# KiCad board sakura50.kicad_pcb (continued)
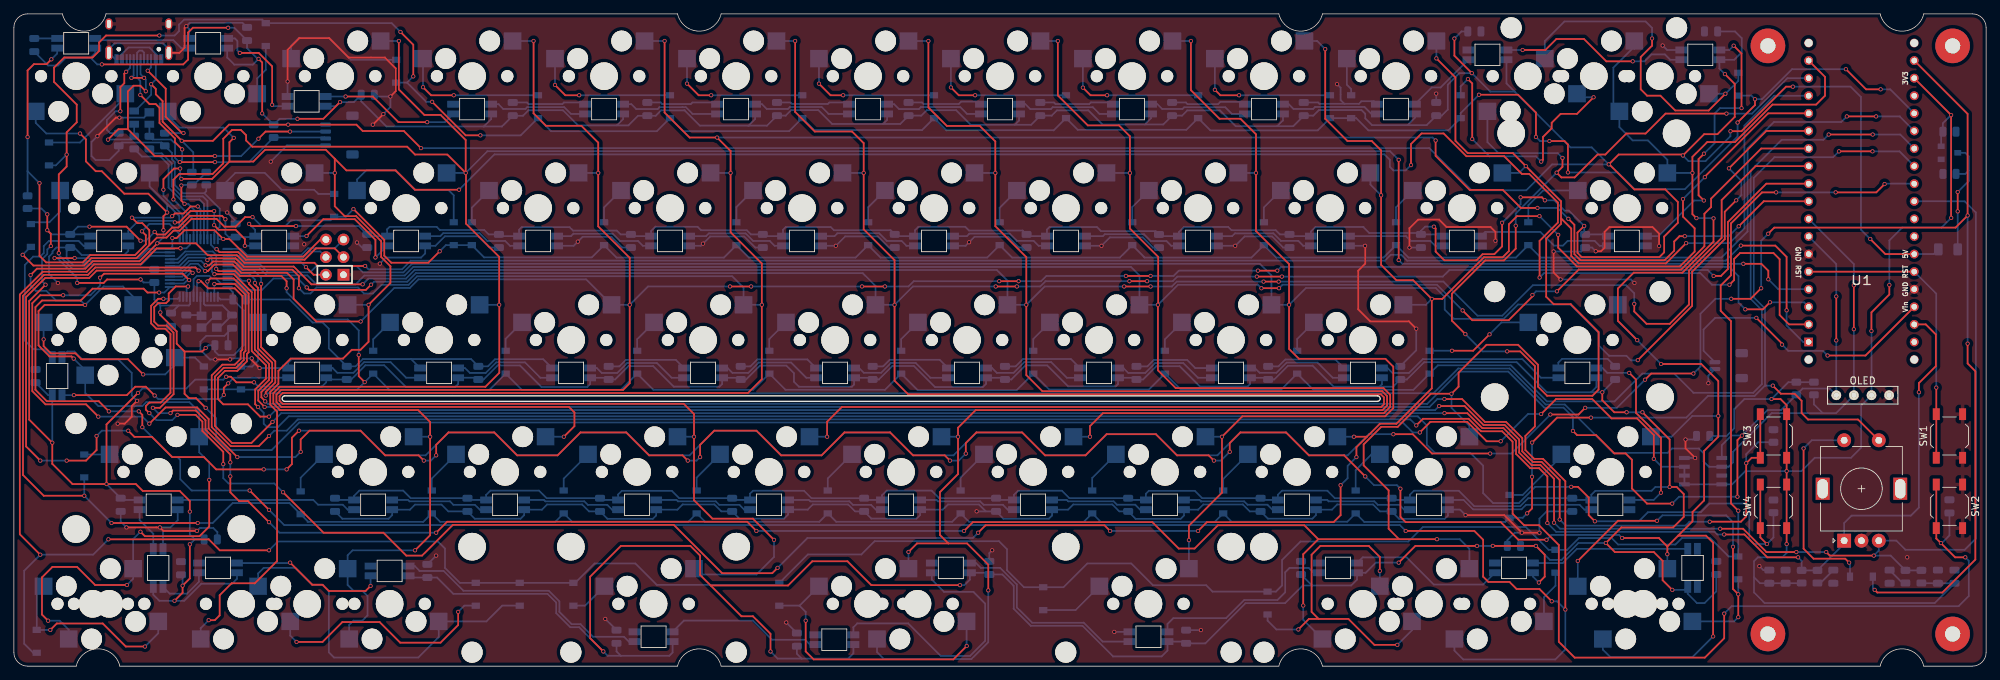
[diagram p0: board, top side]
## Routing (per net, layer and track width the routed paths; a pad name or vN(x,y) marks a point on that pad's centre or on a via; arc(x,y) is an arc through that point) (continued)
col0: length 443.4
  Top w0.25: v1(21.59,62.96) 21.59,64.97 v1(22.13,65.51) 19.41,68.23 15.94,68.23 12.69,71.47 11.82,71.47 10.4,72.9 10.4,76.08 v1(9.56,76.92) ; v1(2.41,56.48) 3.34,57.4 10.32,57.4 11.39,58.47 18.12,58.47 20.7,61.05 v1(20.7,61.06) 26.29,61.06 28,59.34 32.19,59.34 33.28,58.25 43.39,58.25 43.85,57.79 v1(50.71,57.79) ; v1(18.27,19.41) 18.92,18.77 26.8,18.77 28.2,20.17 v1(28.2,26.9) ; v1(8.64,44.42) 8.32,44.73 5.15,44.73 3.56,46.32 3.56,51.28 4.45,52.17 v1(10.28,52.17) ; v1(4.94,6.56) 4.06,7.45 4.06,12.82 5.57,14.33 9.12,14.33 11.73,11.72 v1(16.32,11.72) ; v1(255.89,51.39) 255.89,59.1 254.26,60.74 v1(249.29,60.74)
  Bottom w0.25: U1.1 258.29,46.81 255.89,49.21 v1(255.89,51.39) ; v1(18.27,19.41) 17.22,18.36 MX51.2 17.22,12.62 v1(16.32,11.72) ; v1(2.41,56.48) 2.41,54.96 3.17,54.2 4.7,54.2 6.1,52.8 9.65,52.8 v1(10.28,52.17) 12.95,54.83 15.75,54.83 17.22,53.35 MX27.2 ; v1(8.64,44.42) 10.3,42.75 MX28.2 10.3,39.45 12.19,37.56 18.54,37.56 19.11,38.12 25.34,38.12 26.75,36.72 MX39.2 26.75,30.88 28.2,29.43 v1(28.2,26.9) ; MX1.2 3.16,78.45 4.69,76.92 v1(9.56,76.92) ; v1(21.59,62.96) 21.59,61.94 v1(20.7,61.06) ; v1(50.71,57.79) 51.18,57.31 56.04,57.31 57.29,58.56 197.9,58.56 198.75,59.4 200.27,59.4 201.12,58.56 247.11,58.56 v1(249.29,60.74) ; MX15.2 19.6,69.26 23.88,64.99 23.88,63.72 24.44,63.16 U2.26 ; v1(22.13,65.51) 22.13,66.74 ; MX60.2 7.92,5.25 6.61,6.56 v1(4.94,6.56)
col1: length 408.2
  Top w0.25: 31.12,72.87 31.12,75.67 v1(31.74,76.29) ; 31.12,72.87 28.62,70.37 v1(24.19,70.37) ; 31.12,72.87 34.57,72.87 36.27,74.57 45.03,74.57 46.32,73.28 ; v1(28.12,6.64) 29.01,6.64 29.71,7.34 29.71,10.24 31.43,11.97 34.79,11.97 38,15.18 38,36.77 37.01,37.76 37.01,39.59 38.19,40.77 38.19,42.64 39.95,44.41 47.5,44.41 48.78,45.69 50.04,45.69 51.2,46.85 v1(51.2,52.18) 54.36,55.34 54.36,57.75 53.02,59.09 53.02,61.37 49.4,64.99 47.75,64.99 46.32,66.42 v1(46.32,71.23) 46.32,73.28 ; v1(201.68,72.36) 201.68,75.4 203.2,76.93 206.39,76.93 209.68,73.64 215.13,73.64 217.68,71.09 218.74,71.09 222.88,66.95 222.88,64.06 220.24,61.41 v1(220.24,56.12) ; v1(64.26,68.8) 57.91,68.8 55.12,71.59 48.01,71.59 46.32,73.28 ; U1.2 256.24,49.35 254.89,50.71 254.89,58.77 254,59.66 249.17,59.66 248.32,58.8 248.32,55.75 v1(247.65,55.08) ; v1(21.59,68.8) 21.59,70.32 23.13,71.86 v1(24,71.86)
  Bottom w0.25: MX2.2 22.21,79.45 23.88,77.77 30.26,77.77 v1(31.74,76.29) ; v1(24,71.86) 24,70.56 v1(24.19,70.37) ; v1(28.12,6.64) 26.97,5.49 MX52.2 ; v1(64.26,68.8) 69.37,73.91 197.83,73.91 198.63,73.12 198.63,72.1 199.14,71.59 200.91,71.59 v1(201.68,72.36) ; v1(247.65,55.08) 245.11,55.08 243.44,56.76 220.87,56.76 v1(220.24,56.12) ; v1(21.59,68.8) 21.59,67.91 24.33,65.18 24.33,63.91 24.94,63.29 U2.27 ; MX29.2 v1(51.2,52.18) ; MX16.2 v1(46.32,71.23)
col2: length 442.9
  Top w0.25: v1(199.9,73.12) v1(199.9,58.64) ; v1(55.57,90.28) 55.57,83.29 59.26,79.6 61.6,79.6 65.22,75.98 v1(65.22,71.23) ; v1(253.26,55.87) 253.26,57.1 252.25,58.11 v1(249.66,58.11) ; v1(57.91,16.73) 60.09,18.91 v1(60.09,33.13) 60.09,35.25 58.35,36.98 38.42,36.98 37.45,37.95 37.45,39.41 38.4,40.35 68.07,40.35 70.07,42.35 70.07,52.16 v1(70.06,52.18) 70.06,59.11 65.27,63.9 65.27,71.19 v1(65.22,71.23) ; v1(65.22,71.23) 62.57,73.88 57.91,73.88 56.78,75.02 34.42,75.02 33.53,75.91 33.53,76.67 32.77,77.44 31.5,77.44 30.23,76.17 30.23,72.61 28.7,71.09 23.88,71.09 23.03,70.24 v1(23.03,67.4)
  Bottom w0.25: MX3.2 v1(55.57,90.28) ; U1.4 254.69,54.43 v1(253.26,55.87) ; MX40.2 v1(60.09,33.13) ; v1(57.91,16.73) 48.9,16.73 48.18,16.02 MX61.2 48.18,11.73 49.02,10.89 50.29,10.89 51.05,10.13 51.05,7.33 50.29,6.57 49.02,6.57 48.4,5.95 MX53.2 ; U2.29 25.94,64.5 v1(23.03,67.4) ; v1(249.66,58.11) 200.43,58.11 v1(199.9,58.64) ; MX17.2 v1(65.22,71.23) 68.35,74.36 198.65,74.36 v1(199.9,73.12) ; MX30.2 v1(70.06,52.18)
col3: length 421.9
  Top w0.25: v1(179.58,57.12) v1(182.37,57.12) ; v1(75.02,90.28) 75.02,79.83 76.81,78.03 81.92,78.03 84.35,75.6 v1(84.35,71.23) 84.35,63.51 88.9,58.97 v1(88.9,52.18) 88.9,43.4 88.9,43.39 88.9,40.86 87.94,39.9 38.59,39.9 37.9,39.21 37.9,38.13 38.61,37.43 80.14,37.43 80.92,36.65 80.92,34.66 v1(79.39,33.13) ; v1(122.43,54.83) v1(125.73,54.83) ; v1(103.38,54.83) v1(106.43,54.83) ; v1(142.24,55.59) v1(145.03,55.59) ; v1(253.49,52.54) 252.48,51.53 v1(249.94,51.53) ; v1(27.62,57.05) 28,57.05 28.95,57.99 31.63,57.99 32.82,56.8 39.43,56.8 40.39,55.85 40.39,53.05 43.66,49.77 v1(50.06,49.77) ; v1(160.53,56.35) v1(164.08,56.35)
  Bottom w0.25: v1(27.62,57.05) 26.58,58.09 25.49,58.09 24.16,56.76 U2.17 ; v1(179.58,57.12) 168.17,57.12 167.41,56.35 v1(164.08,56.35) ; v1(50.06,49.77) 54.9,54.61 57.16,54.61 58.4,55.86 82.6,55.86 MX31.2 v1(88.9,52.18) 91.55,54.83 v1(103.38,54.83) ; v1(142.24,55.59) 129.9,55.59 129.14,54.83 v1(125.73,54.83) ; MX18.2 v1(84.35,71.23) ; v1(145.03,55.59) 148.29,55.59 149.05,56.35 v1(160.53,56.35) ; v1(249.94,51.53) 248.95,52.51 248.95,56.32 247.62,57.66 182.91,57.66 v1(182.37,57.12) ; U1.3 258.43,52.54 v1(253.49,52.54) ; MX41.2 v1(79.39,33.13) ; MX4.2 v1(75.02,90.28) ; v1(106.43,54.83) v1(122.43,54.83)
col4: length 506.1
  Top w0.25: v1(248.98,63.52) 252.59,67.13 U1.9 ; v1(27.69,57.88) 28.19,57.88 28.76,58.44 31.81,58.44 33.01,57.25 40.21,57.25 41.15,56.31 v1(41.15,54.58) ; v1(224.4,64.6) 225.26,63.74 225.26,59.5 226.13,58.63 238.3,58.63 239.67,60 239.67,61.33 240.43,62.09 v1(241.19,62.09) ; v1(109.73,18.24) 106.67,21.3 100.84,21.3 98.18,23.96 v1(98.18,33.13) 98.18,36.41 96.7,37.88 38.79,37.88 38.35,38.32 38.35,38.99 38.81,39.45 105.97,39.45 107.97,41.45 v1(107.97,52.18) 107.97,52.18 107.97,58.15 103.46,62.66 v1(103.46,71.23) 103.46,74.39 v1(101.52,76.34) 97.54,76.34 93.93,79.95 v1(93.93,90.28) ; v1(219.93,66.17) 217.54,66.17 214.94,68.77 210.15,68.77 205.23,73.69 v1(205.23,75.91)
  Bottom w0.25: v1(219.93,66.17) 222.83,66.17 v1(224.4,64.6) ; MX54.2 99.03,13.24 107.2,13.24 109.73,15.77 v1(109.73,18.24) ; v1(205.23,75.91) 204.81,76.34 v1(101.52,76.34) ; v1(41.15,54.58) 41.91,53.81 42.82,53.81 43.69,54.68 49.68,54.68 50.55,53.81 51.82,53.81 53.07,55.06 56.97,55.06 58.22,56.31 103.68,56.31 105.33,54.66 MX32.2 v1(107.97,52.18) ; v1(248.98,63.52) 247.55,62.09 v1(241.19,62.09) ; U2.18 24.02,57.26 25.3,58.54 27.02,58.54 v1(27.69,57.88) ; MX19.2 v1(103.46,71.23) ; MX5.2 v1(93.93,90.28) ; MX42.2 v1(98.18,33.13)
col5: length 469.3
  Top w0.25: v1(141.73,54.83) v1(144.78,54.83) ; v1(112.78,90.28) 112.78,80.04 115.61,77.21 120.99,77.21 122.67,75.53 v1(122.67,71.23) 122.67,63.09 127.13,58.63 v1(127.13,52.18) 127.13,41.23 129.09,39.26 197.33,39.26 197.77,38.82 197.77,37.82 197.38,37.42 119.52,37.42 117.39,35.3 v1(117.39,33.13) ; v1(179.42,56.26) v1(183.04,56.26) ; v1(51.56,55.08) 50.81,54.33 42.63,54.33 v1(42.28,54.69) ; U1.10 252.96,69.67 247.42,64.13 247.42,57.35 246.42,56.35 v1(245.36,56.35) ; v1(161.04,55.59) v1(163.58,55.59)
  Bottom w0.25: v1(163.58,55.59) 167.29,55.59 167.95,56.26 v1(179.42,56.26) ; v1(183.04,56.26) 206.27,56.26 207.22,57.21 244.51,57.21 v1(245.36,56.35) ; MX43.2 v1(117.39,33.13) ; v1(144.78,54.83) 148.16,54.83 148.92,55.59 v1(161.04,55.59) ; v1(42.28,54.69) 40.99,55.98 37.46,55.98 35.81,54.32 33.66,54.32 32.22,55.76 U2.46 ; MX20.2 v1(122.67,71.23) ; MX6.2 v1(112.78,90.28) ; v1(141.73,54.83) 129.78,54.83 v1(127.13,52.18) MX33.2 124.38,54.91 122.53,56.76 58.03,56.76 56.79,55.51 51.99,55.51 v1(51.56,55.08)
col6: length 516.1
  Top w0.25: v1(140.66,10.95) 140.66,14.66 137.59,17.73 134.89,17.73 ; 134.89,17.73 130.37,17.73 v1(129.14,16.49) ; 134.89,17.73 133.68,18.94 133.68,25.13 136.29,27.74 v1(136.29,33.13) 136.29,34.43 138.83,36.98 197.56,36.98 198.22,37.64 198.22,39 197.52,39.71 148.47,39.71 146.15,42.03 v1(146.15,52.18) 146.15,59.07 141.67,63.54 v1(141.67,71.23) 141.67,75.78 139.44,78.01 134.68,78.01 132.01,80.68 v1(132.01,90.28) ; v1(27.94,58.64) 28.19,58.89 32,58.89 33.19,57.7 40.39,57.7 42.96,55.14 v1(50.35,55.14) ; v1(233.9,52.32) 233.9,51.21 235.68,49.44 239.03,49.44 241.81,52.22 241.81,57.14 246.52,61.85 246.52,67.31 251.42,72.21 U1.11 ; v1(160.27,54.83) v1(164.08,54.83) ; v1(180.4,55.53) v1(182.57,55.53)
  Bottom w0.25: v1(27.94,58.64) 27.59,58.99 25.12,58.99 23.88,57.76 U2.19 ; v1(160.27,54.83) 148.8,54.83 v1(146.15,52.18) MX34.2 143.43,55.67 141.9,57.21 57.85,57.21 56.6,55.96 51.17,55.96 50.35,55.15 ; MX7.2 v1(132.01,90.28) ; v1(233.9,52.32) 233.9,53.84 232.73,55.02 219.27,55.02 214.87,50.61 211.28,50.61 206.35,55.53 v1(182.57,55.53) ; MX44.2 v1(136.29,33.13) ; MX55.2 124.6,2.02 125.59,1.02 138.21,1.02 140.66,3.47 v1(140.66,10.95) ; v1(164.08,54.83) 167.16,54.83 167.86,55.53 v1(180.4,55.53) ; MX62.2 v1(129.14,16.49) ; MX21.2 v1(141.67,71.23)
col7: length 400.2
  Top w0.25: v1(150.7,90.28) 150.7,82.42 155.03,78.09 159.53,78.09 161.1,76.52 v1(161.1,71.22) 161.1,63.2 165.18,59.11 165.18,52.22 v1(165.14,52.18) 165.14,42.72 167.71,40.16 197.7,40.16 198.67,39.19 198.67,37.45 197.75,36.53 157.2,36.53 155.34,34.66 v1(155.34,33.13) ; v1(222.74,54.13) 225.89,57.28 240.68,57.28 244.03,60.63 244.03,65.34 245,66.3 245,67.52 252.23,74.75 U1.12 ; v1(180.09,54.58) v1(182.63,54.58) ; v1(219.21,53.6) 219.21,53.39 215.77,49.96 210.53,49.96 v1(209.12,51.37)
  Bottom w0.25: MX22.2 161.09,71.23 v1(161.1,71.22) ; v1(182.63,54.58) 183.13,55.08 205.42,55.08 209.12,51.38 v1(209.12,51.37) ; U2.41 32.25,58.26 32.94,57.57 35.36,57.57 36.5,56.43 42.37,56.43 43.67,55.13 49.33,55.13 50.6,56.41 56.42,56.41 57.66,57.66 161.26,57.66 162.48,56.43 MX35.2 v1(165.14,52.18) 168.05,55.08 179.58,55.08 v1(180.09,54.58) ; v1(222.74,54.13) 219.73,54.13 v1(219.21,53.6) ; MX8.2 v1(150.7,90.28) ; MX45.2 v1(155.34,33.13)
col8: length 397.4
  Top w0.25: v1(234.42,44.19) 242.26,52.03 242.26,56.95 246.97,61.66 246.97,65.62 v1(248.62,67.27) ; v1(169.62,18.2) 169.62,20.28 174.39,25.05 v1(174.39,33.13) 177.33,36.08 197.93,36.08 199.12,37.26 199.12,43.24 197.98,44.38 185.51,44.38 184.08,45.81 v1(184.08,52.18) 184.08,58.06 179.3,62.83 v1(179.3,71.23) 179.3,76.8 177.06,79.05 174.04,79.05 169.91,83.18 v1(169.91,90.28) ; v1(247.57,71.89) 252.97,77.29 U1.13
  Bottom w0.25: MX56.2 v1(169.62,18.2) ; MX23.2 v1(179.3,71.23) ; U2.40 32.38,58.76 33.12,58.02 35.55,58.02 36.69,56.88 42.77,56.88 43.69,57.8 49.45,57.8 50.39,56.86 56.23,56.86 57.47,58.11 179.86,58.11 181.53,56.43 MX36.2 v1(184.08,52.18) 186.5,54.61 205.26,54.61 206.55,53.32 206.55,51.48 207.87,50.16 215.05,50.16 217.12,52.23 224.67,52.23 228.78,48.11 228.78,46.31 230.27,44.82 232.77,44.82 233.43,44.16 234.39,44.16 v1(234.42,44.19) ; v1(248.62,67.27) 249.36,68.01 249.36,70.09 v1(247.57,71.89) ; MX46.2 v1(174.39,33.13) ; MX9.2 v1(169.91,90.28)
col9: length 399.5
  Top w0.25: v1(193.8,30.19) 193.8,31.62 195.31,33.13 ; v1(204.68,53.04) 206.19,53.04 212.2,59.05 214.91,59.05 215.8,59.94 215.8,63.82 216.98,64.99 v1(220.22,64.99) ; v1(204.68,53.04) 201.98,55.73 199.57,55.73 197.36,57.95 v1(197.36,68) 197.36,74.49 196.01,75.84 192.51,75.84 189.3,79.05 v1(189.3,89.11) ; v1(204.68,53.04) 204.68,40.12 199.56,35 197.19,35 195.31,33.13 ; 195.31,33.13 v1(193.44,33.13) ; v1(38.86,25.11) 44.7,19.27 53.34,19.27 56.64,15.97 58.93,15.97 63.36,20.4 95.26,20.4 102.24,13.43 109.47,13.43 v1(110.24,14.19) ; v1(244.09,70.61) 244.09,70.7 253.23,79.83 U1.14 ; v1(30.23,29.18) 30.23,30.95 27.22,33.96 27.22,35.31 26.24,36.29 v1(23.62,36.29) ; v1(191.52,26.13) 191.52,21.81 190.5,20.79 172.21,20.79 v1(170.94,19.52) ; v1(158.24,19.52) 157.42,20.34 140.27,20.34 v1(139.19,19.27) ; v1(21.59,53.05) 20.83,53.05 19.81,52.04 19.81,49.5 20.57,48.73 21.84,48.73 22.61,47.97 22.61,39.46 21.21,38.07 19.56,38.07 19.05,37.56 19.05,37.05 v1(19.56,36.54) ; v1(222.92,62.28) 222.92,60.43 225.63,57.73 240.49,57.73 242.62,59.86 242.62,63.23 240.94,64.91 v1(240.94,67.46)
  Bottom w0.25: v1(193.8,30.19) 192.53,28.92 192.53,27.14 v1(191.52,26.13) ; v1(19.56,36.54) 20.57,35.53 22.86,35.53 v1(23.62,36.29) ; v1(30.23,29.18) 30.23,27.14 30.99,26.38 37.59,26.38 v1(38.86,25.11) ; v1(21.59,53.05) 23.65,53.05 U2.12 ; v1(110.24,14.19) 114.55,18.51 138.43,18.51 v1(139.19,19.27) ; MX37.2 203.82,52.18 v1(204.68,53.04) ; MX24.2 195.82,69.54 v1(197.36,68) ; v1(189.3,89.11) 188.13,90.28 MX10.2 ; v1(170.94,19.52) v1(158.24,19.52) ; v1(220.22,64.99) v1(222.92,62.28) ; v1(244.09,70.61) v1(240.94,67.46) ; v1(193.44,33.13) MX47.2
col10: length 453.5
  Top w0.25: v1(107.19,19.52) 105.86,20.85 62.54,20.85 v1(60.96,19.27) ; v1(36.83,20.79) 33.78,23.84 32.51,23.84 31.24,25.11 v1(31.24,27.4) ; v1(186.12,8.75) 186.12,16.16 188.29,18.33 ; v1(137.16,19.52) 138.43,20.79 164.34,20.79 168.15,16.98 170.43,16.98 173.79,20.34 186.28,20.34 188.29,18.33 ; v1(31.24,29.43) 31.24,30.57 27.67,34.15 27.67,35.51 26.26,36.91 22.98,36.91 v1(22.61,36.54) ; 188.29,18.33 v1(205.43,18.33) ; v1(241.39,61.09) 238.48,58.18 225.86,58.18 224.81,59.23 224.81,63.19 223.33,64.67 ; v1(205.34,87.77) 208.09,85.01 208.09,75.86 209.86,74.09 216.37,74.09 v1(218.25,72.21) 218.91,71.56 218.91,71.56 223.33,67.13 223.33,63.87 221.19,61.73 221.19,53.35 222.27,52.27 224.73,52.27 228.75,48.26 228.75,39.93 227.87,39.05 221.32,39.05 220.01,40.36 220.01,43.53 217.13,46.41 212.58,46.41 208.54,42.37 208.54,40.36 v1(207.52,39.34) 204.53,39.34 199.75,34.55 197.37,34.55 194.84,32.02 194.84,28.99 198.45,25.39 198.45,19.84 199.96,18.33 ; v1(20.07,37.3) 21.08,37.3 23.06,39.28 23.06,48.16 22.03,49.18 20.83,49.18 20.26,49.75 20.26,51.85 20.84,52.43 21.98,52.43 22.35,52.8 22.35,53.81 23.37,54.83 v1(25.15,54.83)
  Bottom w0.25: MX57.2 186.12,6.69 v1(186.12,8.75) ; v1(60.96,19.27) 38.35,19.27 v1(36.83,20.79) ; v1(241.39,61.09) 247.65,61.09 249.81,63.24 249.81,78.07 254.11,82.37 U1.15 ; v1(20.07,37.3) 20.83,36.54 v1(22.61,36.54) ; v1(137.16,19.52) v1(107.19,19.52) ; v1(218.25,72.21) 217.26,71.23 MX25.2 ; MX11.2 v1(205.34,87.77) ; v1(207.52,39.34) 207.52,37.3 210.1,34.72 MX48.2 ; U2.10 24.94,54.62 v1(25.15,54.83) ; v1(205.43,18.33) 208.71,18.33 210.1,16.94 MX63.2 ; v1(31.24,29.43) v1(31.24,27.4)
col11: length 441.5
  Top w0.25: v1(223.54,73.4) 223.54,72.11 v1(222.7,71.27) 223.38,70.58 225.3,70.58 228.61,73.89 229.73,73.89 232.76,76.91 235.53,76.91 238.42,79.79 v1(247.21,79.79) ; v1(13.72,36.8) 12.25,38.26 4.76,38.26 3.11,39.91 3.11,51.84 4.06,52.8 9.65,52.8 11.37,54.52 18.72,54.52 19.29,53.95 v1(20.97,53.95) ; v1(216.79,63.6) 216.79,60.3 215.09,58.6 212.39,58.6 207.58,53.79 207.58,49.9 v1(209.53,47.95) ; v1(215.55,45.46) 217.45,45.46 219.56,43.34 219.56,34.62 218.19,33.24 218.19,31.21 219.46,29.94 220.73,29.94 223.96,26.71 v1(223.96,8.18) ; v1(200.91,19.52) 210.82,19.52 212.09,18.25 212.09,12.92 212.85,12.16 215.9,12.16 216.92,11.14 220.22,11.14 v1(222,9.36) ; v1(18.03,36.8) 18.54,36.29 v1(18.54,34.51) ; v1(34.04,25.37) v1(36.83,22.57)
  Bottom w0.25: v1(36.83,22.57) 39.03,20.37 175.85,20.37 175.86,20.37 200.06,20.37 v1(200.91,19.52) ; v1(209.53,47.95) 212.02,45.46 v1(215.55,45.46) ; MX58.2 207.94,2.25 209.23,0.96 222.5,0.96 223.96,2.42 v1(223.96,8.18) 223.94,8.18 222.76,9.36 v1(222,9.36) ; v1(13.72,36.8) v1(18.03,36.8) ; U1.16 256.02,84.91 250.9,79.79 v1(247.21,79.79) ; v1(223.54,73.4) 222.86,74.08 214.3,74.08 212.71,75.68 MX12.2 ; v1(18.54,34.51) 22.86,30.19 23.62,30.19 24.01,29.8 24.01,27.01 25.65,25.37 v1(34.04,25.37) ; v1(222.7,71.27) 216.79,65.37 v1(216.79,63.6) ; v1(20.97,53.95) 21.72,53.95 U2.13
col12: length 519
  Top w0.25: v1(7.11,53.56) 3.81,53.56 2.66,52.41 2.66,39.72 4.57,37.81 10.41,37.81 v1(12.19,36.03) ; v1(221.23,18.25) 217.17,18.25 214.63,20.79 200.91,20.79 200.15,21.56 v1(200.15,25.62) ; v1(237.77,43.64) 243.57,43.64 246.03,41.18 v1(246.03,36.13) 246.03,33.13 243.98,31.08 243.98,23.93 242.32,22.26 242.32,20.92 240.24,18.85 ; v1(97.28,29.68) 96.52,30.45 91.69,30.45 88.39,33.75 81.79,33.75 78.49,30.45 72.64,30.45 69.34,33.75 62.74,33.75 60.96,31.97 v1(60.96,30.45) ; 238.68,17.28 v1(238.68,16.17) ; 238.68,17.28 237.45,18.51 v1(232.16,18.51) ; 238.68,17.28 240.24,18.85 ; U1.17 261.44,85.09 261.44,82.38 260.15,81.1 253.86,81.1 248.45,75.69 244.44,75.69 242.3,73.55 v1(242.3,71.23) 242.3,65.28 v1(242.88,64.7) ; v1(137.41,30.7) 137.41,32.22 138.94,33.75 145.54,33.75 148.84,30.45 154.69,30.45 157.73,33.49 164.85,33.49 167.89,30.45 172.47,30.45 v1(173.23,29.68) ; v1(245.29,4.29) 245.29,17.82 244.26,18.85 240.24,18.85 ; v1(32.26,30.19) 32.26,30.19 28.12,34.33 28.12,35.69 26.45,37.36 21.9,37.36 v1(19.56,35.02) ; v1(135.13,29.68) 134.37,30.45 129.79,30.45 126.49,33.75 119.89,33.75 116.59,30.45 110.74,30.45 107.19,34 101.09,34 99.06,31.97 v1(99.06,30.19) ; v1(59.18,29.68) 58.42,30.45 53.59,30.45 50.04,34 42.67,34 41.4,32.73 v1(41.4,30.95) ; v1(175.51,30.95) 175.51,32.22 177.04,33.75 183.64,33.75 186.94,30.45 192.02,30.45 v1(195.07,27.4) ; v1(25.31,55.75) 24.39,56.67 13.02,56.67 v1(12.45,56.1) ; v1(234.33,47.08) 231.54,49.87 231.54,54.53 233.83,56.83 240.86,56.83 245.35,61.31 v1(245.35,64.67)
  Bottom w0.25: MX64.2 v1(238.68,16.17) ; v1(137.41,30.7) 136.4,29.68 v1(135.13,29.68) ; v1(245.29,4.29) 242.33,1.33 230.43,1.33 229.37,2.38 MX59.2 ; v1(245.35,64.67) 245.31,64.7 v1(242.88,64.7) ; U2.14 24.56,55.26 25.06,55.75 v1(25.31,55.75) ; v1(99.06,30.19) 98.55,29.68 v1(97.28,29.68) ; 233.92,89.47 230.89,86.44 230.89,80.99 MX13.2 231.76,77.84 233.67,75.93 235.87,75.93 238.68,73.12 MX26.2 v1(242.3,71.23) ; v1(59.18,29.68) 60.2,29.68 v1(60.96,30.45) ; v1(12.45,56.1) 12.45,54.96 11.04,53.56 v1(7.11,53.56) ; v1(12.19,36.03) 18.54,36.03 v1(19.56,35.02) ; v1(175.51,30.95) 174.24,29.68 v1(173.23,29.68) ; v1(237.77,43.64) v1(234.33,47.08) 231.54,49.87 MX38.2 ; v1(246.03,36.13) 242.28,36.13 239.29,33.13 MX49.2 ; v1(232.16,18.51) 231.72,18.95 221.93,18.95 v1(221.23,18.25) ; v1(41.4,30.95) 40.64,30.19 v1(32.26,30.19) ; v1(195.07,27.4) 196.34,26.13 199.64,26.13 v1(200.15,25.62) ; MX14.2 233.92,89.12
col13: length 482.1
  Top w0.25: v1(7.62,29.68) 10.41,29.68 11.94,31.21 v1(11.94,33.24) ; v1(213.11,30.7) 204.72,30.7 201.93,33.49 v1(199.14,33.49) ; v1(41.15,34) 40.13,32.99 40.13,29.18 v1(39.37,28.41) ; v1(16.51,34) 17.4,33.11 19.94,33.11 22.86,30.19 27.43,30.19 29.21,28.41 v1(36.07,28.41) ; v1(282.02,46.58) 282.02,43.72 283.14,42.6 283.14,15.39 278.38,10.63 268.99,10.63 v1(268.61,11.02) ; v1(235.46,41.37) 236.35,42.26 v1(242.44,42.26) ; U1.18 282.02,79.75 v1(282.02,65.07) 280.28,63.33 254.12,63.33 v1(253.24,62.45) ; v1(221.79,36.34) 225.86,36.34 v1(226.82,37.3) ; v1(25.8,56.79) 25.47,57.12 11.95,57.12 10.88,56.05 4.53,56.05 1.76,53.29 1.76,31.73 v1(3.81,29.68) ; v1(252.22,54.58) 250.7,53.05 v1(247.9,53.05)
  Bottom w0.25: v1(25.8,56.79) 25.46,56.79 24.43,55.76 U2.15 ; v1(282.02,65.07) v1(282.02,46.58) ; v1(242.44,42.26) 243.46,43.27 243.46,50.89 245.62,53.05 v1(247.9,53.05) ; v1(16.51,34) 12.7,34 v1(11.94,33.24) ; v1(226.82,37.3) 231.39,37.3 v1(235.46,41.37) ; v1(36.07,28.41) v1(39.37,28.41) ; v1(199.14,33.49) 195.58,33.49 192.53,30.45 186.94,30.45 183.64,33.75 177.04,33.75 173.74,30.45 167.89,30.45 164.85,33.49 157.73,33.49 154.69,30.45 148.84,30.45 145.54,33.75 138.94,33.75 135.64,30.45 129.79,30.45 126.49,33.75 119.89,33.75 116.59,30.45 110.74,30.45 107.19,34 101.09,34 97.54,30.45 91.69,30.45 88.39,33.75 81.79,33.75 78.49,30.45 72.64,30.45 69.34,33.75 62.74,33.75 59.44,30.45 53.59,30.45 50.04,34 v1(41.15,34) ; v1(252.22,54.58) 252.22,61.43 v1(253.24,62.45) ; v1(3.81,29.68) v1(7.62,29.68) ; D48.2 268.35,11.27 v1(268.61,11.02) ; v1(213.11,30.7) 216.15,30.7 v1(221.79,36.34)
D+: length 18.9
  Bottom w0.25: R2.1 20.22,74.05 21.35,74.05 22.78,72.61 22.78,69.29 24.23,67.84 27.27,67.84 27.94,67.17 U2.33
D-: length 20.4
  Bottom w0.25: U2.32 27.44,66.76 26.81,67.39 24.04,67.39 22.33,69.1 22.33,72.42 21.16,73.6 18.49,73.6 R1.1
JTDI: length 15.3
  Bottom w0.25: U2.38 32.66,59.76 33.49,58.92 41.68,58.92 42.65,59.89 44.22,59.89 J2.3
JTDO: length 15.3
  Top w0.25: J2.5 43.26,56.53 v1(42.16,57.62)
  Bottom w0.25: U2.39 32.52,59.26 33.31,58.47 41.32,58.47 v1(42.16,57.62)
NRST: length 346.7
  Top w0.25: v1(26.67,55.59) 27.01,55.59 28.04,54.56 31.88,54.56 32.99,53.45 32.99,45.71 32.74,45.45 32.74,44.39 31.89,43.54 30.11,43.54 28.56,41.99 28.56,34.52 31.31,31.77 35.36,31.77 v1(36.83,33.24) ; SW2.2 SW2.2 277.5,18.43 v1(278.16,17.77) 280.22,15.71 v1(281.69,15.71) ; v1(202.44,34.76) 203.4,35.72 209.98,35.72 211.79,33.92 214.83,33.92 216.34,32.41 216.34,22.01 218,20.36 220.15,20.36 223.01,17.49 223.01,3.52 225.3,1.24 244.09,1.24 246.89,4.03 v1(246.89,7.59)
  Bottom w0.25: v1(36.83,33.24) 37.59,34 39.37,34 41,35.63 201.57,35.63 v1(202.44,34.76) ; U2.7 26.44,55.36 v1(26.67,55.59) ; v1(246.89,7.59) 247.96,8.66 280.73,8.66 282.19,10.13 282.19,15.21 v1(281.69,15.71) ; C29.2 279.4,18.88 278.29,17.77 v1(278.16,17.77)
rot0: length 328.1
  Top w0.25: v1(28.94,55.19) 31.89,55.19 33.44,53.64 33.44,45.52 33.19,45.27 33.19,44.2 32.07,43.09 30.29,43.09 29.01,41.81 29.01,34.71 31.5,32.22 34.29,32.22 v1(37.34,35.27) ; v1(257.56,15.71) 253.11,15.71 249.81,19.02 v1(246.89,19.02) ; v1(274.99,39.56) 274.99,40.87 277.44,43.32 277.44,47.9 275.99,49.35 U1.33 ; v1(206.51,36.53) 209.81,36.53 211.97,34.37 215.02,34.37 216.84,32.56 216.84,30.65 218.9,28.59 220.17,28.59 221.36,27.4 v1(221.36,20.67)
  Bottom w0.25: v1(206.51,36.53) 38.6,36.53 v1(37.34,35.27) ; U2.2 v1(28.94,55.19) ; v1(221.36,20.67) 222.63,19.4 245.49,19.4 245.87,19.02 v1(246.89,19.02) ; v1(257.56,15.71) 258.07,15.2 R4.2 R16.1 264.2,17.68 MX50.A 264.2,20.66 265.28,21.74 273.82,21.74 274.99,22.91 v1(274.99,39.56)
rot1: length 363.9
  Top w0.25: v1(246.31,19.85) 249.61,19.85 252.98,16.48 v1(257.3,16.48) ; v1(261.62,16.48) 262.13,15.97 v1(268.48,15.97) ; v1(222.32,20.72) 222.32,27.07 220.35,29.04 219.08,29.04 217.29,30.84 217.29,32.74 215.21,34.82 212.16,34.82 209.42,37.56 v1(205.74,37.56) ; v1(36.83,36.03) 35.56,36.03 33.78,37.81 30.23,37.81 29.46,38.57 29.46,41.62 30.48,42.64 32.26,42.64 33.64,44.01 33.64,45.07 33.89,45.32 33.89,53.83 31.73,55.98 28.37,55.98 v1(27.94,55.55)
  Bottom w0.25: U2.4 v1(27.94,55.55) ; v1(222.32,20.72) 223.2,19.85 v1(246.31,19.85) ; v1(205.74,37.56) 205.16,36.98 37.78,36.98 v1(36.83,36.03) ; R5.2 R17.1 270.91,15.97 v1(268.48,15.97) 269.2,16.69 MX50.B 271.74,18.12 273.05,16.81 281.6,16.81 283.22,18.42 283.22,65.5 281.59,67.13 U1.26 ; v1(257.3,16.48) v1(261.62,16.48)
row0: length 372.7
  Top w0.25: v1(251.33,81.87) 251.33,81.02 v1(248.82,78.51) ; v1(21,91.07) 13.31,91.07 12.3,90.06 12.3,88.83 11.36,87.9 7.26,87.9 5.8,86.44 5.8,84.37 9.08,81.1 9.08,78.54 7.62,77.08 v1(7.62,73.88) 7.62,72.15 6.48,71.01 v1(6.48,59.65) ; v1(57.66,85.17) 57.66,89.74 v1(55.81,91.59) ; v1(224.33,71.3) 224.33,75.34 223.83,75.83 v1(221.66,75.83) ; v1(60.38,81.5) 65.22,76.66 v1(67.34,76.66) ; v1(264.46,86.21) 267.37,83.3 v1(269.47,83.3) ; v1(219.71,76.42) 219.71,79.94 217.14,82.52 v1(211.49,82.52)
  Bottom w0.25: v1(55.81,91.59) 54.54,92.86 37.02,92.86 ; v1(211.49,82.52) 208.84,79.87 D12.1 207.07,77.38 195.52,77.38 193.76,79.14 D11.1 D10.1 188.22,77.38 172.71,77.38 D9.1 169.25,77.45 153.57,77.45 D8.1 150.12,77.38 134.59,77.38 D7.1 131.1,77.42 115.53,77.42 D6.1 111.92,77.26 96.59,77.26 D5.1 92.81,77.25 77.56,77.25 D4.1 73.17,76.66 v1(67.34,76.66) ; v1(219.71,76.42) 220.3,75.83 v1(221.66,75.83) ; v1(21,91.07) 23.21,91.07 23.84,91.7 23.84,92.64 24.57,93.37 35.86,93.37 D2.1 ; U1.21 270.85,83.3 v1(269.47,83.3) ; v1(248.82,78.51) 248.82,76.48 241.21,68.88 233.95,68.88 231.53,71.3 v1(224.33,71.3) ; v1(60.38,81.5) 59.52,81.5 56.75,84.27 ; D13.1 250.81,82.39 v1(251.33,81.87) 252.34,81.87 256.68,86.21 v1(264.46,86.21) ; v1(57.66,85.17) 56.75,84.27 ; 56.75,84.27 D3.1 ; v1(6.48,59.65) 6.48,59.36 8.44,57.4 10.06,57.4 10.69,58.03 18.44,58.03 19.67,59.26 U2.22 ; D1.1 6.06,72.32 v1(7.62,73.88)